# Altium PCB PCB2.PcbDoc
Units mm, origin at the board's own origin, x right, y up, seen from the top; angles counter-clockwise.
Board outline 70.25 x 60.25 mm, 2 copper layers (Top Layer, Bottom Layer); 50 components, 37 nets, 171 pads, 57 vias.
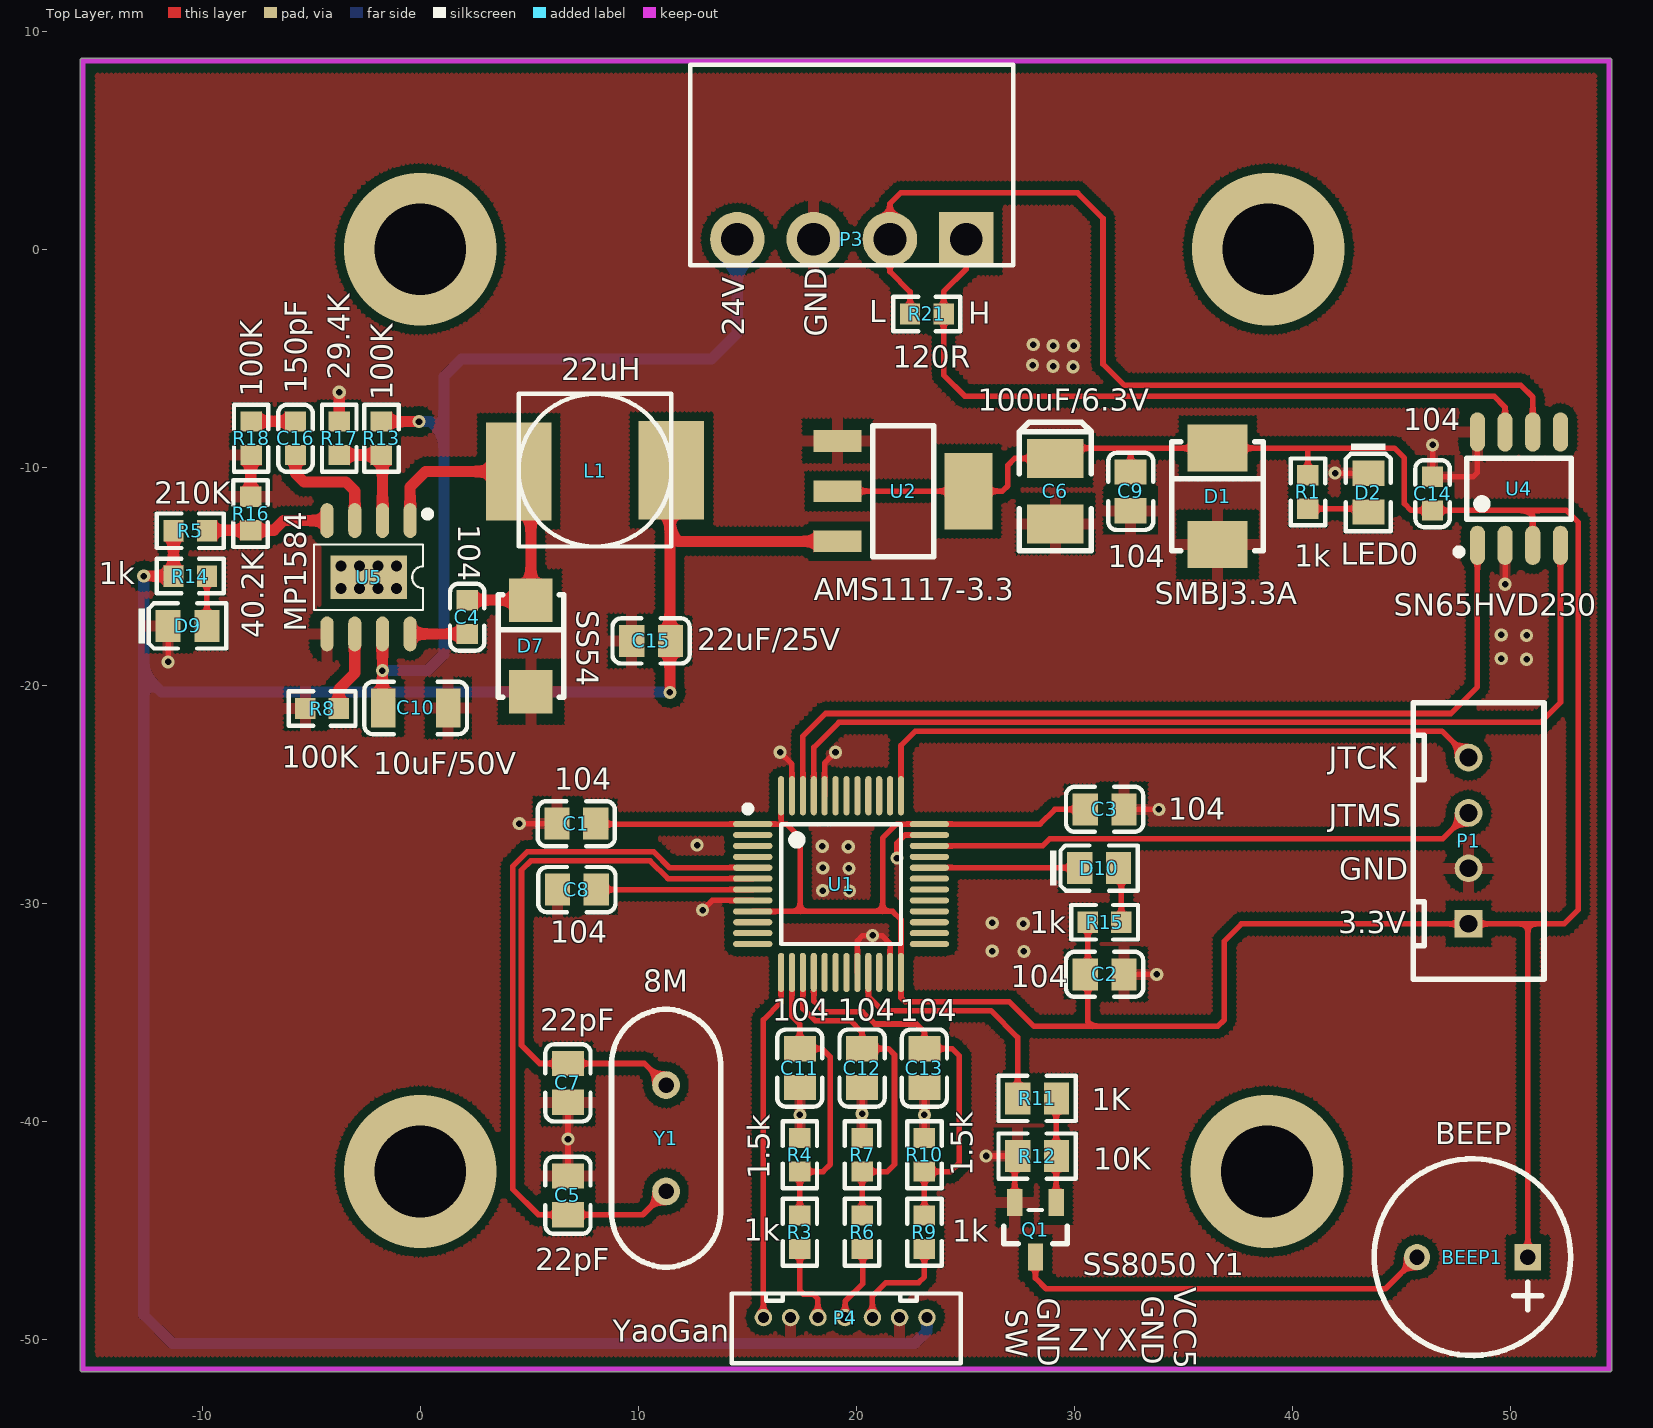
[diagram p0: Top Layer view]
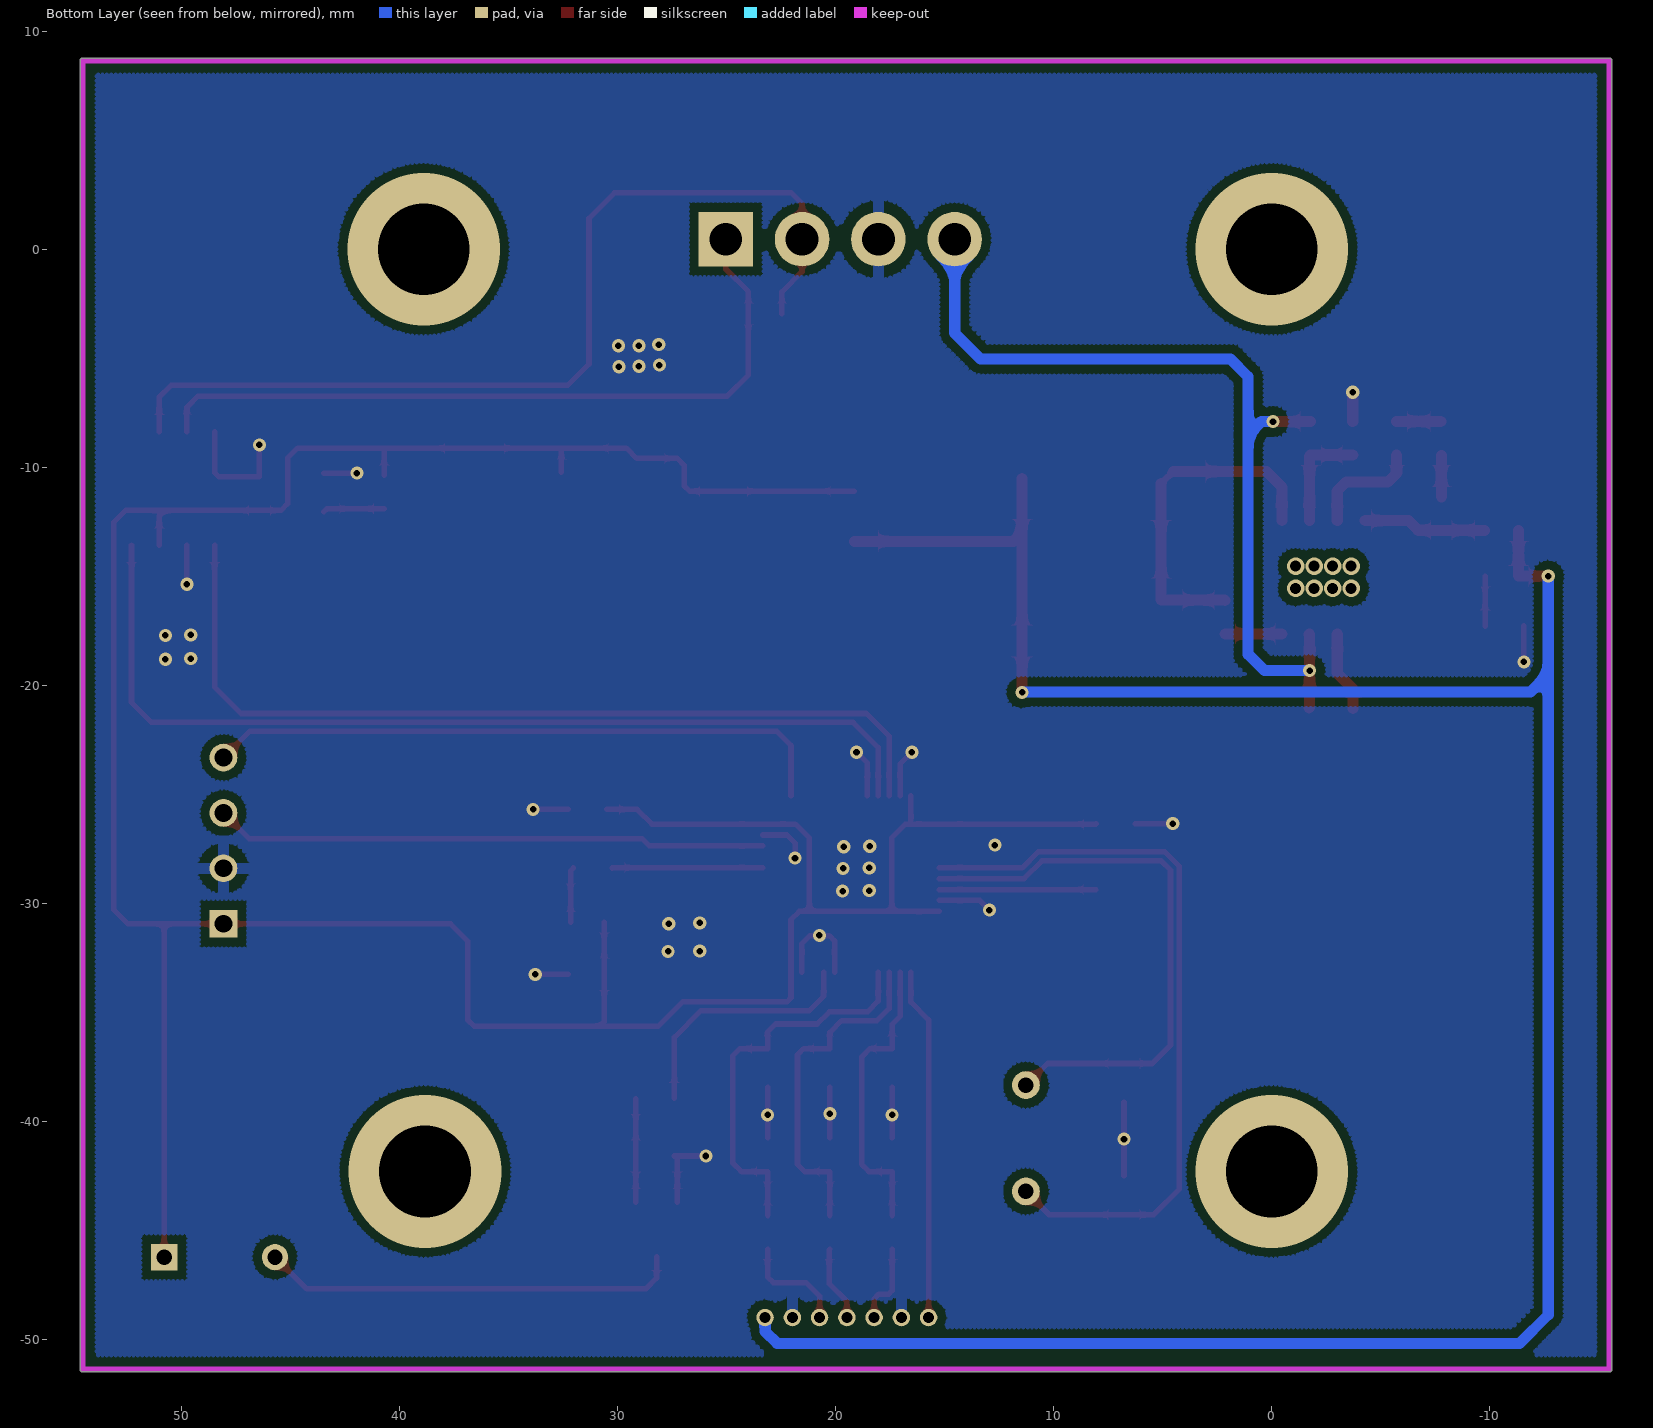
[diagram p1: Bottom Layer view, seen from below]
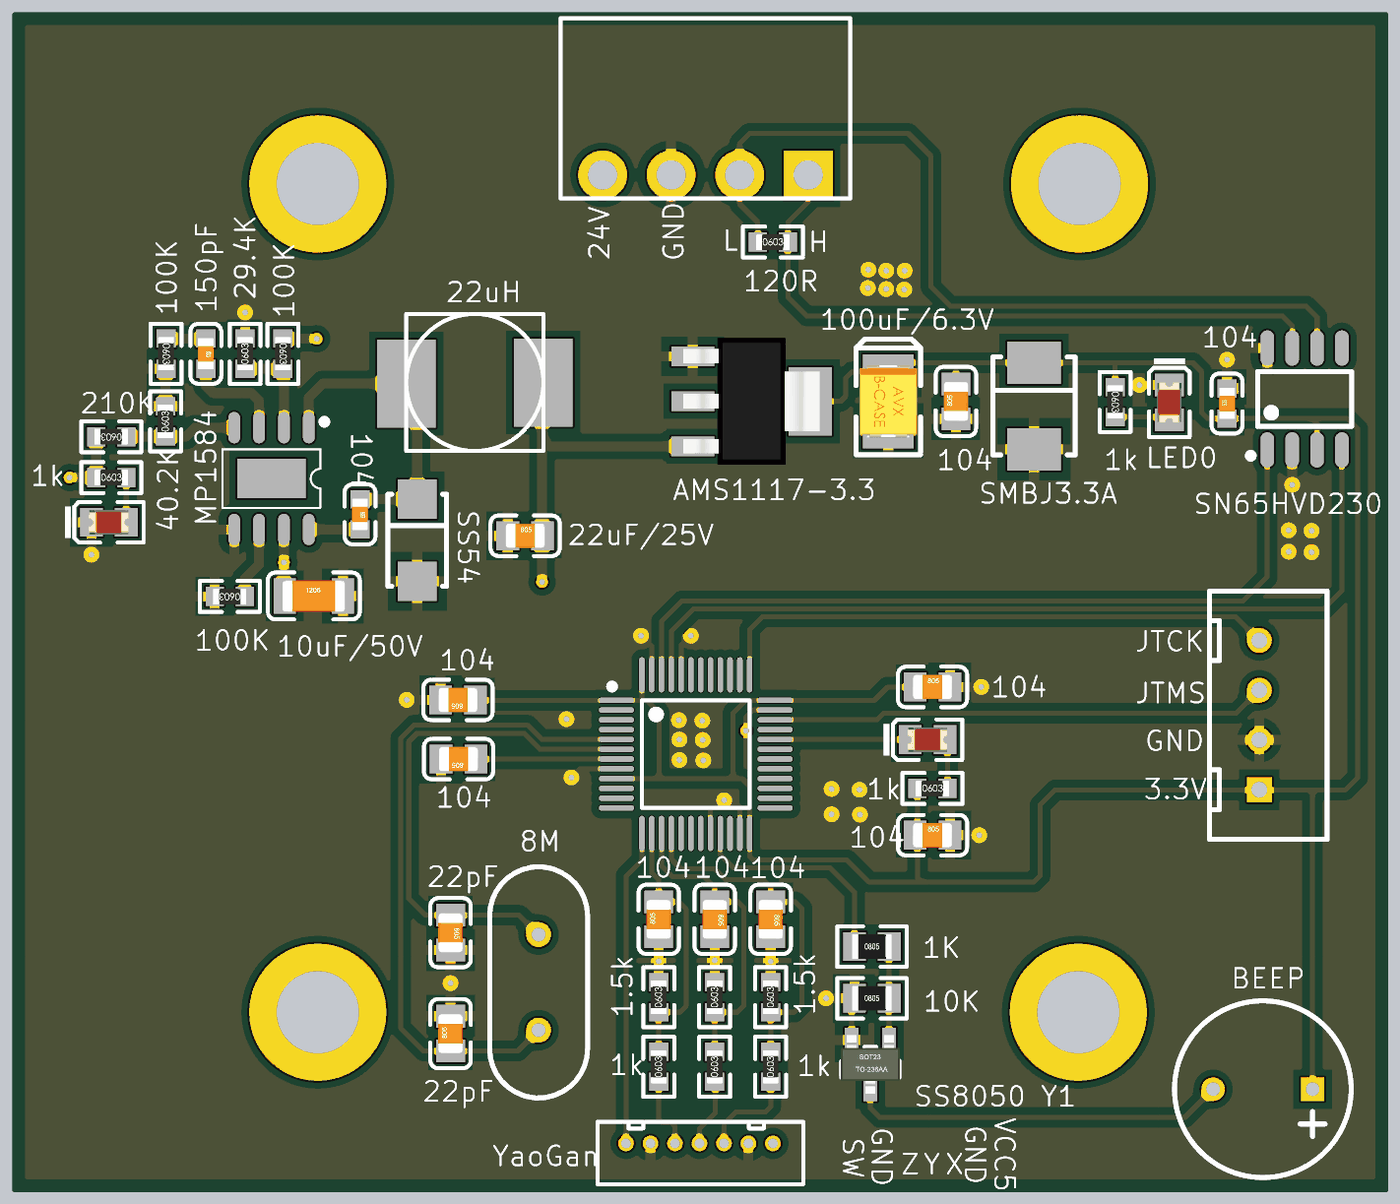
[diagram p2: 3D render of the assembled board from above, using the file's embedded part models]

## Layer stack, top to bottom
Top Solder: solder mask 0.0102, Solder Resist, Dk 3.5
Top Layer: signal copper 0.0356
Dielectric 1: dielectric 0.32, FR-4, Dk 4.8
Bottom Layer: signal copper 0.0356
Bottom Solder: solder mask 0.0102, Solder Resist, Dk 3.5

## Board outline
-15.47,-51.489 cw(c-15.47,-51.362) -15.597,-51.362 -15.597,8.638 cw(c-15.47,8.638) -15.47,8.765 54.53,8.765 cw(c54.53,8.638) 54.658,8.638 54.658,-51.362 cw(c54.53,-51.362) 54.53,-51.489

## Design rules (kind name [scope] priority, off if disabled: settings)
Clearance Clearance_1 [All vs InPolygon] p1: gap=0.4
Clearance [All] p2: gap=0.152
HoleSize [All] p1: absolutevalues=TRUE maxlimit=5 minlimit=0.025 maxpercent=80.000 minpercent=20.000
MinimumSolderMaskSliver [All] p1: minsoldermaskwidth=0.076
PolygonConnect PolygonConnect_1 [All vs IsVia] p1: connectstyle=Direct reliefconductorwidth=0.254 reliefentries=4 polygonreliefangle="90 Angle" airgapwidth=0.254
PolygonConnect [All] p2: connectstyle=Relief reliefconductorwidth=0.508 reliefentries=4 polygonreliefangle="90 Angle" airgapwidth=0.508
RoutingVias [All] p1: holewidth=0.711 width=1.27 viastyle="Through Hole" minholewidth=0.711 minwidth=1.27 maxholewidth=0.711 maxwidth=1.27
SolderMaskExpansion [All] p1: expansion=0.102
Width [All] p1: maxlimit=0.762 minlimit=0.152 preferedwidth=0.254
28 further rules are at their usual default settings.

## Components (designator, comment, footprint, x,y, rotation, side; value= is the part's Value field where it differs from the comment)
BEEP1 "BEEP" BELL-5 50.8,-46.228 r180 top
C1 "104" 0805_C 7.162,-26.349 r180 top
C2 "104" 0805_C 31.389,-33.257 r0 top
C3 "104" 0805_C 31.389,-25.688 r0 top
C4 "104" 0603_C 2.158,-16.874 r270 top
C5 "22pF" 0805_C 6.781,-43.392 r90 top
C6 "100uF/6.3V" CASE-B_3528 29.133,-11.098 r90 top
C7 "22pF" 0805_C 6.781,-38.236 r270 top
C8 "104" 0805_C 7.187,-29.371 r180 top
C9 "104" 0805_C 32.587,-11.109 r90 top
C10 "10uF/50V" 1206_C -0.204,-21.04 r0 top
C11 "104" 0805_C 17.412,-37.554 r90 top
C12 "104" 0805_C 20.269,-37.554 r270 top
C13 "104" 0805_C 23.127,-37.554 r270 top
C14 "104" 0603_C 46.43,-11.21 r90 top
C15 "22uF/25V" 0805_C 10.591,-17.967 r0 top
C16 "150pF" 0603_C -5.716,-8.67 r270 top
D1 "SMBJ3.3A" SMB(DO-214AA)_S1 36.575,-11.337 r270 top
D2 "LED0" LC-0805_LED_S1 43.484,-12.048 r270 top
D7 "SS54" SMA(DO-214AC)_S1 5.079,-18.195 r270 top
D9 "LED0" LC-0805_LED_S1 -9.78,-17.281 r0 top
D10 "LED0" LC-0805_LED_S1 32.028,-28.381 r0 top
L1 "22uH" L-7*7*4mm-S 4.52,-6.638 r0 top
P1 "Header 4" IDE4 48.081,-30.935 r90 top
P3 "" DZ-4-3.5 25.044,0.457 r180 top
P4 "YaoGan" XH7 23.241,-48.997 r180 top
Q1 "SS8050 Y1" SOT-23(SOT-23-3) 28.218,-44.967 r90 top
R1 "1k" 0603_R 40.715,-11.134 r270 top
R3 "1k" 0603_R 17.412,-45.087 r90 top
R4 "1.5k" 0603_R 17.412,-41.531 r90 top
R5 "210K" 0603_R -10.542,-12.912 r180 top
R6 "1k" 0603_R 20.269,-45.087 r90 top
R7 "1.5k" 0603_R 20.269,-41.531 r90 top
R8 "100K" 0603_R -4.497,-21.065 r180 top
R9 "1k" 0603_R 23.127,-45.087 r90 top
R10 "1.5k" 0603_R 23.127,-41.531 r90 top
R11 "1K" 0805_R 28.294,-38.947 r0 top
R12 "10K" 0805_R 28.294,-41.589 r0 top
R13 "100K" 0603_R -1.779,-8.67 r270 top
R14 "1k" 0603_R -10.542,-14.995 r0 top
R15 "1k" 0603_R 31.389,-30.87 r0 top
R16 "40.2K" 0603_R -7.774,-12.125 r90 top
R17 "29.4K" 0603_R -3.71,-8.67 r90 top
R18 "100K" 0603_R -7.748,-8.67 r270 top
R21 "120R" 0603_R 23.24,-2.97 r0 top
U1 "STM32F103C8T6" LQFP-48_7x7x05P 19.303,-29.117 r270 top
U2 "AMS1117-3.3" SOT-223 22.148,-11.098 r180 top
U4 "SN65HVD230" LC-SOIC-8_150mil 50.392,-10.982 r0 top
U5 "MP1584" LC-SOIC-8_EP_150MIL -2.363,-15.046 r180 top
Y1 "8M" XTAL_US 11.276,-43.214 r90 top

## Footprints (in the part's own frame and the unit in brackets; to place one, negate y for a bottom-side part, rotate by r counter-clockwise, add the part's x,y. Pads: shape width x height; smd on the part's side, far side on the other; paste and mask are expansions set on the pad)
0603_C [mm]
  rect 0.93x0.98 smd: 1(-0.77,0) 2(0.77,0)
  silkscreen extent -1.53,-0.79 1.54,0.79, body extent -0.8,-0.4 0.8,0.4, height 0.3
0603_R [mm]
  rect 0.93x0.98 smd: 1(-0.77,0) 2(0.77,0)
  silkscreen extent -1.53,-0.79 1.54,0.79, body extent -0.85,-0.4 0.85,0.4, height 0.56
0805_C [mm]
  rect 1.16x1.47 smd: 1(-0.89,0) 2(0.89,0)
  silkscreen extent -1.77,-1.04 1.77,1.04, body extent -1,-0.62 1,0.63, height 0.77
0805_R [mm]
  rect 1.16x1.47 smd: 1(-0.89,0) 2(0.89,0)
  silkscreen extent -1.77,-1.04 1.77,1.03, body extent -1,-0.62 1,0.63, height 0.49
1206_C [mm]
  rect 1.13x1.8 smd: 1(-1.49,0) 2(1.49,0)
  silkscreen extent -2.36,-1.2 2.35,1.2, body extent -1.6,-0.81 1.6,0.79, height 1
BELL-5 [mm]
  rect 1.2x1.2 hole 0.7: 1(0,0)
  round 1.2 hole 0.7: 2(5.08,0)
  silkscreen extent -1.97,-4.51 7.05,4.51
CASE-B_3528 [mm]
  rect 1.8x2.6 smd: 1(1.5,0) 2(-1.5,0)
  silkscreen extent -2.73,-1.65 3.16,1.65, body extent -1.85,-1.47 1.85,1.46, height 2.03
DZ-4-3.5 [mm]
  rect 2.5x2.5 hole 1.5: 1(0,0)
  round 2.5 hole 1.5: 2(3.5,0) 3(7,0) 4(10.5,0)
  silkscreen extent -2.15,-8 12.65,1.2
IDE4 [mil]
  rect 50x50 hole 32: 1(0,0)
  round 50 hole 32: 2(100,0) 3(200,0) 4(300,0)
  silkscreen extent -100,-136 399,100
L-7*7*4mm-S [mm]
  rect 3x4.5 smd: 1(0,-3.556) 2(7,-3.5)
  silkscreen extent 0,-7 7,0
LC-0805_LED_S1 [mm]
  rect 1.16x1.47 smd: A(0.001,0) K(-1.779,0)
  silkscreen extent -3.13,-1.04 0.88,1.03, body extent -1.9,-0.62 0.12,0.62, height 1.1
LC-SOIC-8_150mil [mm]
  oval 0.7x1.8 smd: 1(-1.905,-2.6) 2(-0.635,-2.6) 3(0.635,-2.6) 4(1.905,-2.6) 5(1.905,2.6) 6(0.635,2.6) 7(-0.635,2.6) 8(-1.905,2.6)
  silkscreen extent -2.9,-3.05 2.4,1.4
LC-SOIC-8_EP_150MIL [mm]
  rect 3.5x2 smd: 0(0,0)
  oval 0.6x1.6 smd: 1(-1.905,-2.6) 2(-0.635,-2.6) 3(0.635,-2.6) 4(1.905,-2.6) 5(1.905,2.6) 6(0.635,2.6) 7(-0.635,2.6) 8(-1.905,2.6)
  silkscreen extent -2.85,-3.05 2.5,1.5
LQFP-48_7x7x05P [mm]
  oval 0.28x1.8 smd mask+0.051: 1(-2.75,-4.05) 2(-2.25,-4.05) 3(-1.75,-4.05) 4(-1.25,-4.05) 5(-0.75,-4.05) 6(-0.25,-4.05) 7(0.25,-4.05) 8(0.75,-4.05) 9(1.25,-4.05) 10(1.75,-4.05) 11(2.25,-4.05) 12(2.75,-4.05) 25(2.75,4.05) 26(2.25,4.05) 27(1.75,4.05) 28(1.25,4.05) 29(0.75,4.05) 30(0.25,4.05) 31(-0.25,4.05) 32(-0.75,4.05) 33(-1.25,4.05) 34(-1.75,4.05) 35(-2.25,4.05) 36(-2.75,4.05)
  oval 1.8x0.28 smd mask+0.051: 13(4.05,-2.75) 14(4.05,-2.25) 15(4.05,-1.75) 16(4.05,-1.25) 17(4.05,-0.75) 18(4.05,-0.25) 19(4.05,0.25) 20(4.05,0.75) 21(4.05,1.25) 22(4.05,1.75) 23(4.05,2.25) 24(4.05,2.75) 37(-4.05,2.75) 38(-4.05,2.25) 39(-4.05,1.75) 40(-4.05,1.25) 41(-4.05,0.75) 42(-4.05,0.25) 43(-4.05,-0.25) 44(-4.05,-0.75) 45(-4.05,-1.25) 46(-4.05,-1.75) 47(-4.05,-2.25) 48(-4.05,-2.75)
  silkscreen extent -3.6,-4.42 2.75,2.75
SMA(DO-214AC)_S1 [mm]
  rect 2x2 smd: 1(2.1,0) 2(-2.1,0)
  silkscreen extent -2.35,-1.5 2.35,1.5
SMB(DO-214AA)_S1 [mm]
  rect 2.159x2.743 smd: 1(2.21,0) 2(-2.21,0)
  silkscreen extent -2.5,-2.1 2.5,2.1
SOT-23(SOT-23-3) [mm]
  rect 1.25x0.7 smd: 1(1.25,-0.95) 2(1.25,0.95) 3(-1.25,0)
  silkscreen extent -0.65,-1.46 0.9,1.46, body extent -1.5,-1.5 1.5,1.5, height 1.3
SOT-223 [mm]
  rect 2.2x1 smd: 1(3,-2.3) 2(3,0) 3(3,2.3)
  rect 2.2x3.5 smd: 2(-3,0)
  silkscreen extent -1.4,-3 1.4,3, body extent -3.49,-3.24 3.49,3.24, height 1.64
XH7 [mm] "Connector; Header; 5 Position"
  round 0.8 hole 0.5: 1(0,0) 2(1.25,0) 3(2.5,0) 4(3.75,0) 5(5,0) 6(6.25,0) 7(7.5,0)
  silkscreen extent -1.55,-1.1 8.95,2.1
XTAL_US [mil]
  round 50 hole 28: 1(0,0) 2(192.13,0)
  silkscreen extent -137,-98 329,98

## Part data
C1 C2 C3 C5 C7 C8 C11 C12 C13: library part Cap, "Capacitor"
C4 C10 C15 C16: library part "Cap Semi", "Capacitor (Semiconductor SIM Model)"
C6: library part CAP
C9: library part C
C14: library part C_3
D1: library part "D Zener", "Zener Diode"
D2 D9 D10: "Typical INFRARED GaAs LED"
D7: library part "SMA(DO-214AC) SS54", "二极管"
L1: library part Inductor, "Inductor"
P1: "Header, 4-Pin"
P3: library part "Header 4", "Header, 4-Pin"
P4: library part "Header 7", "Header, 7-Pin"
Q1: library part "SOT-23 SS8050 Y1", "三极管"
R1 R3 R4 R5 R6 R7 R8 R9 R10 R13 R14 R15 R16 R17 R18 R21: library part R_2
R11 R12: library part R
U1: library part stm32f103v8t6
U2: library part "SOT-223 AMS1117-3.3", "低压差线性稳压(LDO)"
U4: library part SN65HVD230D
U5: library part MP1584EN
Y1: library part XTAL, "Crystal Oscillator"

## Via types
v1: diameter 0.6, hole 0.3, Top Layer to Bottom Layer, 43 vias
v2: diameter 0.8, hole 0.5, Top Layer to Bottom Layer, 8 vias
v3: diameter 7, hole 4.2, Top Layer to Bottom Layer, 4 vias
v4: diameter 1.27, hole 0.711, Top Layer to Bottom Layer, 2 vias

## Nets (pads, with @x,y where several pads share a name; then routed paths per layer and width w, separated by ;. In a path a pad name is that pad's centre, name@x,y a point inside that pad or via, vN(x,y) a via of type N, cw(c..) or ccw(c..) an arc to the next point about the centre after c; other vN are vias at no path point)
ADC4: C11.2 R3.2 R4.1 U1.14 | length 13.7
  Top Layer w0.254: U1.14 17.053,-35.188 17.412,-35.547 C11.2 18.427,-36.664 18.809,-37.046 18.809,-41.974 18.481,-42.301 R4.1 R3.2
ADC5: C12.1 R6.2 R7.1 U1.15 | length 15.8
  Top Layer w0.254: U1.15 17.553,-34.825 18.11,-35.382 19.736,-35.382 20.269,-35.916 C12.1 21.475,-36.664 21.755,-36.944 21.755,-41.974 21.428,-42.301 R7.1 R6.2
ADC6: C13.1 R9.2 R10.1 U1.16 | length 18.2
  Top Layer w0.254: U1.16 18.053,-34.487 18.542,-34.976 20.295,-34.976 20.853,-35.535 22.758,-35.535 23.127,-35.903 C13.1 24.396,-36.664 24.727,-36.995 24.727,-41.897 24.323,-42.301 R10.1 R9.2
BEEP: R11.1 U1.21 | length 11.5
  Top Layer w0.254: U1.21 20.553,-34.269 21.209,-34.925 26.177,-34.925 27.404,-36.152 R11.1
CAN_H: P3.1 R21.2 U4.7 | length 34.2
  Top Layer w0.254: P3.1 25.044,-0.914 24.01,-1.949 R21.2 24.01,-5.773 24.977,-6.74 49.249,-6.74 49.757,-7.248 U4.7
CAN_L: P3.2 R21.1 U4.6 | length 44.5
  Top Layer w0.254: R21.1 22.47,-1.957 21.544,-1.031 P3.2 21.544,2.088 22.038,2.582 30.149,2.582 31.317,1.414 31.317,-5.267 32.282,-6.232 50.469,-6.232 51.027,-6.791 U4.6
CAN_RX: U1.45 U4.4 | length 44.5
  Top Layer w0.254: U1.45 18.053,-22.849 19.201,-21.7 51.383,-21.7 52.297,-20.786 U4.4
CAN_TX: U1.46 U4.1 | length 41.1
  Top Layer w0.254: U1.46 17.553,-22.333 18.592,-21.294 47.268,-21.294 48.487,-20.075 U4.1
GND: C1.2 C2.2 C3.2 C5.2 C6.2 C7.2 C8.2 C9.1 C10.2 C11.1 C12.2 C13.2 C14.2 C15.1 D1.1 D2.K D7.1 D9.K P1.2 P3.3 P4.2 P4.6 Q1.2 R4.2 R7.2 R8.2 R10.2 R12.1 R16.2 R17.2 R18.2 U1.8 U1.20 U1.23 U1.35 U1.44 U1.47 U2.1 U4.2 U4.8 U5.5 | length 46
  Top Layer w0.254: v1(-11.559,-18.931) D9.K ; R18.2@-7.774,-9.466 R18.2 ; v1(4.545,-26.349) C1.2 ; C5.2 C7.2 ; v1(12.953,-30.311) 13.397,-29.867 U1.8 ; v1(16.509,-23.072) 17.053,-23.616 U1.47 ; R4.2 C11.1 ; U1.44 18.553,-23.568 v1(19.049,-23.072) ; U1.20 20.053,-31.72 20.293,-31.479 21.182,-31.479 21.553,-31.85 U1.23 ; R7.2 C12.2 ; v1(21.868,-27.923) 21.868,-27.238 22.239,-26.867 U1.35 ; R10.2 C13.2 ; v1(25.958,-41.589) R12.1 ; Q1.2 R12.1@27.268,-41.725 ; C2.2 v1(33.781,-33.257) ; C3.2 v1(33.882,-25.688) ; v1(41.961,-10.269) D2.K ; v1(46.43,-8.975) C14.2 48.292,-10.44 48.487,-10.245 U4.8 ; U4.2 49.757,-15.366 v1(49.759,-15.367)
  Top Layer w0.508: R16.2 R18.2@-7.774,-9.466 ; R17.2 v1(-3.71,-6.562)
  other v1: 6.781,-40.814 17.412,-39.7 23.127,-39.7 20.269,-39.649 27.686,-32.207 26.237,-32.191 20.752,-31.471 27.661,-30.937 26.237,-30.895 19.685,-29.439 18.466,-29.413 19.66,-28.397 18.466,-28.372 19.634,-27.407 18.44,-27.381 12.7,-27.33 50.748,-18.805 49.58,-18.779 50.748,-17.713 49.58,-17.687 29.945,-5.394 29.031,-5.368 28.091,-5.317 29.031,-4.428 29.971,-4.428 28.117,-4.378
JTCK: P1.4 U1.37 | length 29.1
  Top Layer w0.254: U1.37 22.053,-22.762 22.708,-22.107 46.862,-22.107 P1.4@48.081,-23.326
JTMS: P1.3 U1.34 | length 25.4
  Top Layer w0.254: U1.34 28.546,-27.367 28.879,-27.034 46.902,-27.034 P1.3
KEY4: U1.33
KEY_X: P4.3 R9.1 | length 5
  Top Layer w0.254: P4.3 20.741,-48.017 21.361,-47.396 22.86,-47.396 23.127,-47.13 R9.1
KEY_Y: P4.4 R6.1 | length 3.5
  Top Layer w0.254: P4.4 19.491,-48.251 20.304,-47.438 20.304,-45.891 R6.1
KEY_Z: P4.5 R3.1 | length 3.8
  Top Layer w0.254: R3.1 17.412,-47.765 17.577,-47.93 18.034,-47.93 18.241,-48.137 P4.5
NetBEEP1_2: BEEP1.2 Q1.3 | length 19.3
  Top Layer w0.254: Q1.3 28.218,-47.192 28.702,-47.676 44.272,-47.676 BEEP1.2
NetC4_1: C4.1 D7.2 L1.1 U5.1 | length 15.9
  Top Layer w0.254: L1.1 L1.1@5.079,-10.753
  Top Layer w0.508: U5.1 -0.458,-10.905 0.253,-10.194 L1.1 ; C4.1 2.167,-16.095 D7.2 L1.1@5.079,-10.753
NetC4_2: C4.2 U5.8 | length 2.6
  Top Layer w0.508: U5.8 -0.457,-17.644 C4.2
NetC5_1: C5.1 U1.5 Y1.1 | length 34.3
  Top Layer w0.254: Y1.1 10.209,-44.282 C5.1 5.42,-44.282 4.242,-43.104 4.242,-28.305 4.903,-27.644 10.718,-27.644 11.441,-28.367 U1.5
NetC7_1: C7.1 U1.6 Y1.2 | length 26.5
  Top Layer w0.254: Y1.2 10.288,-37.346 C7.1 5.484,-37.346 4.648,-36.51 4.648,-28.473 5.071,-28.05 10.549,-28.05 11.366,-28.867 U1.6
NetC8_1: C8.1 U1.7 | length 7.2
  Top Layer w0.254: C8.1 8.081,-29.367 U1.7
NetC16_1: C16.1 R18.1 | length 2
  Top Layer w0.508: R18.1 C16.1
NetC16_2: C16.2 U5.3 | length 5.3
  Top Layer w0.508: C16.2 -5.716,-10.296 -5.335,-10.677 -3.405,-10.677 -2.998,-11.083 U5.3
NetD2_A: D2.A R1.2 | length 2.8
  Top Layer w0.254: R1.2 43.338,-11.904 D2.A
NetD9_A: D9.A R14.2 | length 2.3
  Top Layer w0.254: D9.A R14.2@-9.779,-15.002
NetD10_A: D10.A R15.2 | length 2.5
  Top Layer w0.254: D10.A 32.159,-28.511 R15.2
NetD10_K: D10.K U1.32 | length 6.9
  Top Layer w0.254: U1.32 30.236,-28.367 D10.K
NetQ1_1: Q1.1 R11.2 R12.2 | length 4.8
  Top Layer w0.254: Q1.1 R11.2@29.168,-38.963
NetR5_1: R5.1 R16.1 U5.4 | length 5.7
  Top Layer w0.508: R5.1@-9.755,-12.895 R16.1 -6.715,-12.895 -6.266,-12.446 U5.4
NetR8_1: R8.1 U5.6 | length 3.7
  Top Layer w0.508: R8.1 -3.727,-20.168 -2.998,-19.44 U5.6
NetR13_2: R13.2 R17.1 U5.2 | length 5
  Top Layer w0.508: R17.1 R13.2 -1.728,-9.491 U5.2
SW3: P4.7 U1.13 | length 16.2
  Top Layer w0.254: P4.7 15.741,-35.346 16.553,-34.534 U1.13
U1_RX: U1.31
U1_TX: U1.30
VCC3.3: BEEP1.1 C1.1 C2.1 C3.1 C6.1 C9.2 C14.1 D1.2 P1.1 R1.1 R15.1 U1.1 U1.9 U1.24 U1.36 U1.48 U2.2 U4.3 | length 153.8
  Top Layer w0.254: C1.1 8.07,-26.367 U1.1 16.807,-26.367 17.423,-26.984 17.423,-30.367 ; U1.9 17.423,-30.367 ; 16.553,-26.298 U1.48 ; U2.2@19.148,-11.098 25.148,-11.098 26.705,-11.098 26.948,-10.855 26.948,-9.915 27.265,-9.598 C6.1 29.603,-9.127 D1.2 44.677,-9.127 45.135,-9.585 45.135,-11.667 45.447,-11.98 C14.1 50.781,-11.98 ; C3.1 29.107,-25.688 28.428,-26.367 U1.36 21.85,-26.367 21.208,-27.009 21.208,-30.367 ; R15.1 30.619,-35.43 30.834,-35.645 ; C9.2 32.587,-9.203 ; R1.1 40.715,-9.153 ; P1.1@48.108,-30.973 P1.1@48.081,-30.946 ; BEEP1.1 50.8,-30.946 ; U4.3 51.027,-12.226 50.781,-11.98 ; 17.423,-30.367 21.208,-30.367 ; 21.208,-30.367 21.67,-30.367 22.053,-30.75 U1.24 22.053,-34.331 22.24,-34.519 27.026,-34.519 28.152,-35.645 30.834,-35.645 ; 30.834,-35.645 36.575,-35.645 36.88,-35.34 36.88,-31.733 37.667,-30.946 P1.1@48.081,-30.946 ; P1.1@48.081,-30.946 50.8,-30.946 ; 50.781,-11.98 52.57,-11.98 53.11,-12.52 53.11,-19.939 53.11,-30.3 52.464,-30.946 50.8,-30.946
VCC5: C15.2 L1.2 P4.1 R5.2 R14.1 U2.3 | length 116.8
  Top Layer w0.508: v1(-12.676,-14.995) R14.1 R5.2 ; v1(11.454,-20.329) 11.454,-13.014 ; L1.2@11.454,-10.509 11.454,-13.014 ; U2.3 11.838,-13.398 11.454,-13.014
  Bottom Layer w0.508: v1(-12.676,-14.995) -12.676,-19.491 ; v1@11.48,-20.303 -11.863,-20.303 -12.676,-19.491 ; P4.1 23.241,-49.632 22.682,-50.19 -11.354,-50.19 -12.676,-48.868 -12.676,-19.491
VCC24: C10.1 P3.4 R13.1 U5.7 | length 41
  Top Layer w0.508: R13.1 -1.771,-7.908 v1(-0.052,-7.908) ; C10.1 -1.728,-21.006 v1(-1.728,-19.326) U5.7 U5.7@-1.694,-17.68
  Bottom Layer w0.508: v1(-1.728,-19.326) 0.341,-19.326 1.091,-18.576 1.091,-8.518 ; v1(-0.052,-7.908) 0.481,-7.908 1.091,-8.518 ; P3.4 14.544,-3.845 13.352,-5.038 1.904,-5.038 1.091,-5.851 1.091,-8.518
pads on no net: U1.2 U1.3 U1.4 U1.10 U1.11 U1.12 U1.17 U1.18 U1.19 U1.22 U1.25 U1.26 U1.27 U1.28 U1.29 U1.38 U1.39 U1.40 U1.41 U1.42 U1.43 U4.5 U5.0
copper on no net:
  other v2: -3.633,-15.554 -2.787,-15.554 -1.94,-15.554 -1.093,-15.554 -3.633,-14.538 -2.787,-14.538 -1.94,-14.538 -1.093,-14.538
  other v3: 0,-42.3 38.837,-42.3 0,0 38.9,0
  other v4: 416.33,173.738 465.352,208.536

## Polygon pours and split planes (outlines as drawn)
GND on Bottom Layer "Top Layer-No Net" (hatched 90Degree grid 0.203 track 0.203, remove dead copper, pour order 8): -15.47,8.638 54.53,8.638 54.53,-51.362 -15.47,-51.362 -15.47,8.638
GND on Top Layer "Top Layer-No Net" (hatched 90Degree grid 0.203 track 0.203, remove dead copper, pour order 10): -15.47,8.638 54.53,8.638 54.53,-51.362 -15.47,-51.362 -15.47,8.638

## Keep-outs
Keep-Out Layer:
  lines w0.254: -15.47,-51.362 54.53,-51.362 54.53,8.638 -15.47,8.638 -15.47,-51.362

## Silkscreen, mask and mechanical layers (free items; w line width, h text height)
Top Overlay:
  text "H" at 26.161,-2.422 h1 r180
  text "L" at 20.598,-3.362 h1
  text "24V" at 14.859,-3.962 h1 r90
  text "GND" at 18.644,-4.013 h1 r90
  text "JTCK" at 41.68,-23.834 h1
  text "JTMS" at 41.68,-26.476 h1
  text "GND" at 42.163,-28.914 h1
  text "3.3V" at 42.112,-31.378 h1
  text "VCC5" at 34.595,-47.6 h1 r270
  text "GND" at 33.095,-47.989 h1 r270
  text "GND" at 28.32,-48.091 h1 r270
  text "SW" at 26.847,-48.624 h1 r270
  text "Z" at 29.717,-50.529 h1
  text "Y" at 30.86,-50.529 h1
  text "X" at 31.977,-50.529 h1